# Allegro board mini_trx_layout.brd (continued)
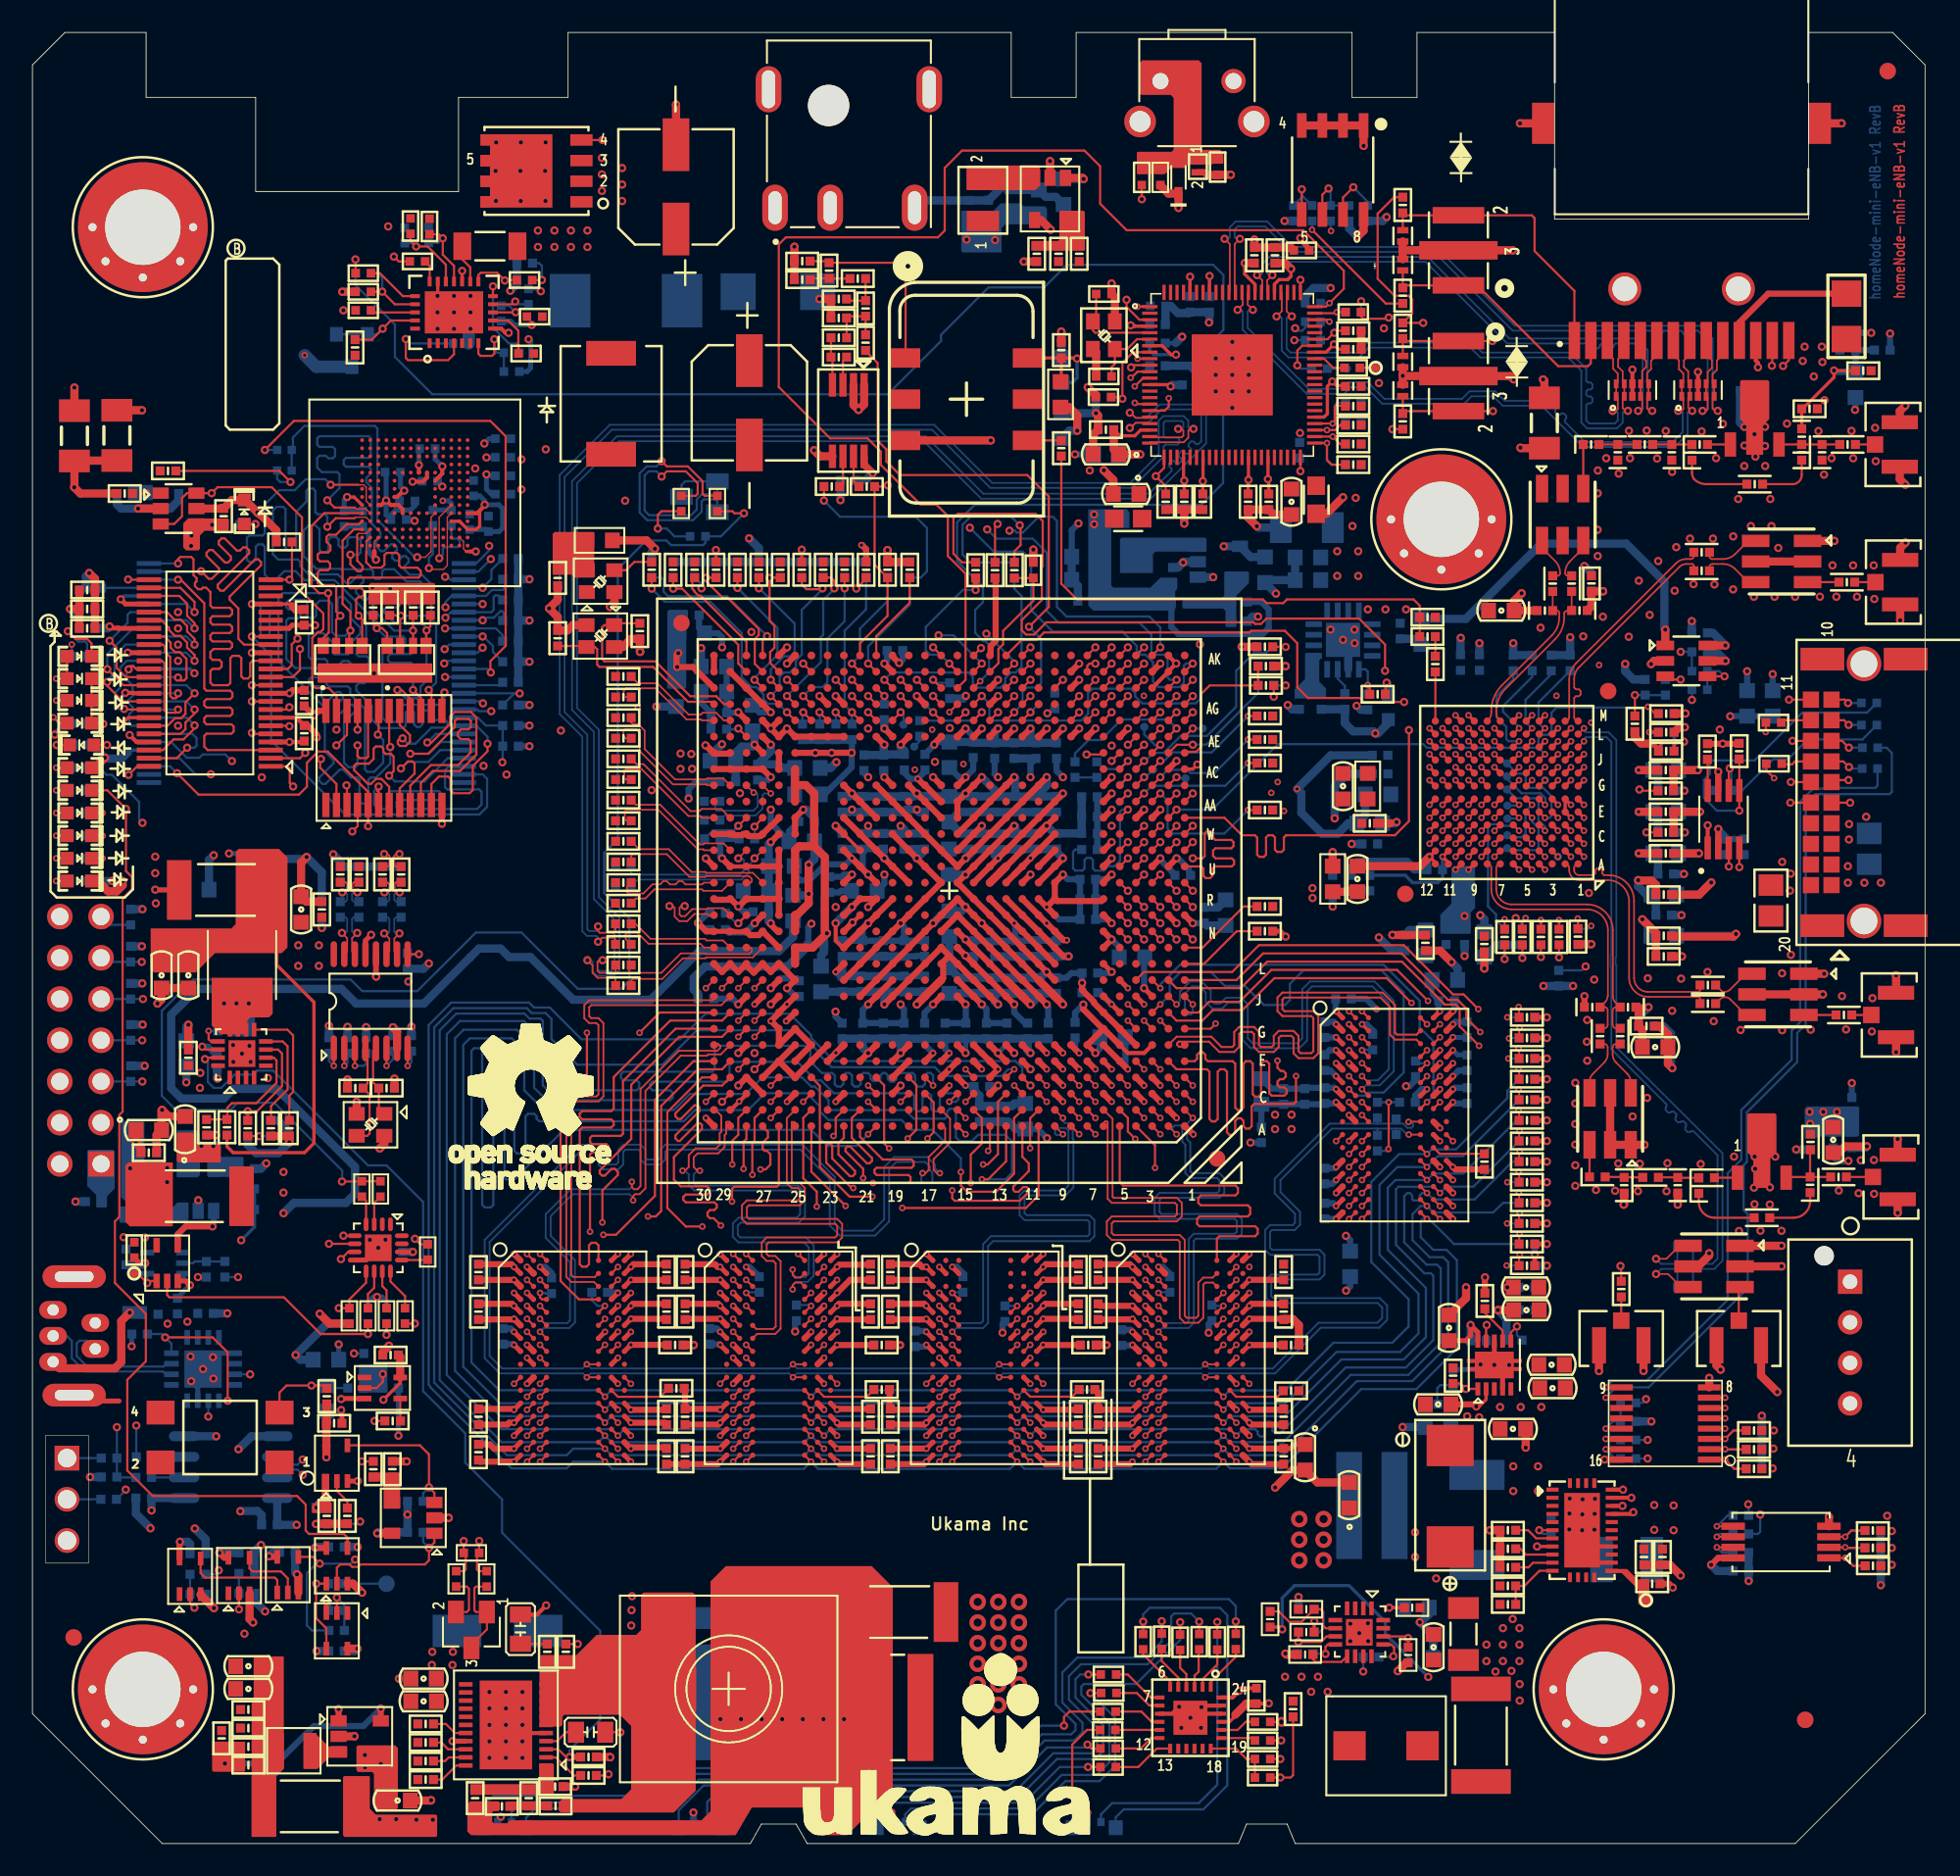
[diagram p0: board, top side]
## Copper pours and planes (outline as drawn; the poured copper is in the pictures) (continued)
CHASIS_GND on L6-SIGNAL: 80.56,76.18 80.33,76.41 80.33,88.5 86.02,94.19 86.02,105.41 88.61,108 92.66,108 92.66,99.03 110.44,99.03 110.44,108 112.59,108 113.66,106.94 113.66,89.16 107.24,89.16 105.84,90.55 97.23,90.55 94.83,88.15 94.83,77.73 93.28,76.18 ; 2 cut-outs
DC_IN_12V on BOTTOM: 46.08,92.18 46.06,92.17 46.04,92.17 38.25,92.17 38.24,92.17 38.22,92.18 37.98,92.42 37.96,92.44 37.96,92.46 37.96,97.33 37.96,97.35 37.98,97.37 38.38,97.77 38.39,97.78 38.41,97.78 42.74,97.78 42.76,97.79 42.77,97.8 43.37,98.39 43.38,98.41 43.38,98.43 43.38,101.87 43.39,101.89 43.4,101.91 43.8,102.31 43.81,102.32 43.83,102.32 46.33,102.32 46.35,102.32 46.37,102.31 46.49,102.18 46.5,102.17 46.51,102.15 46.51,92.63 46.5,92.61 46.49,92.59
EFUSE_IN_12V on TOP: 31.17,93.85 31.08,93.93 31.08,94.24 31.73,94.89 31.73,96.18 31.73,96.19 31.76,96.35 31.73,96.5 31.73,96.51 31.73,96.71 31.72,96.73 31.71,96.74 31.56,96.89 31.55,96.91 31.53,96.91 29.22,96.91 29.2,96.91 29.19,96.92 29,97.11 28.99,97.13 28.98,97.15 28.98,99.65 28.99,99.67 29,99.68 29.18,99.87 29.19,99.88 29.21,99.88 34.63,99.88 34.65,99.88 34.67,99.87 35.03,99.5 35.04,99.49 35.04,99.47 35.04,95.52 35.05,95.5 35.06,95.48 35.64,94.9 44.57,94.9 45.1,94.37 45.1,89.89 44.82,89.6 33.58,89.6 33.39,89.79 33.39,93.29 32.83,93.85
EFUSE_IN_12V on BOTTOM: 31.74,92.76 31.73,92.77 31.73,92.79 31.73,96.18 31.73,96.19 31.76,96.35 31.73,96.5 31.73,96.51 31.73,96.71 31.72,96.73 31.71,96.75 31.56,96.9 31.54,96.91 31.52,96.91 27.12,96.91 27.1,96.91 27.08,96.9 26.82,96.63 26.8,96.62 26.76,96.62 26.75,96.6 26.57,96.43 26.56,96.42 26.54,96.42 26.01,96.42 25.99,96.42 25.98,96.43 25.75,96.66 25.74,96.67 25.74,96.69 25.74,99.05 25.74,99.07 25.72,99.09 25.53,99.28 25.51,99.29 25.49,99.3 25.31,99.3 25.25,99.3 23.42,99.3 23.4,99.29 23.36,99.26 23.33,99.26 23.33,99.23 23.32,99.21 23.29,99.19 22.64,99.19 22.59,99.24 22.59,99.73 22.59,99.75 22.61,99.77 22.71,99.88 22.73,99.89 22.75,99.89 23.86,99.89 23.96,99.89 34.61,99.89 34.63,99.89 34.65,99.88 35.03,99.49 35.04,99.48 35.04,99.46 35.04,93.04 35.04,93.02 35.03,93.01 34.63,92.61 34.61,92.6 34.59,92.59 31.93,92.59 31.91,92.6 31.89,92.61
EMMC_3V3 on TOP (solid shape): 24.63,71.53 17.57,71.53 17.57,72.72 24.63,72.72
EMMC_3V3 on TOP (solid shape): 24.81,77.6 24.81,76.41 24.76,76.36 20.76,76.36 20.72,76.39 20.72,77.54 20.86,77.68 24.73,77.68
EMMC_3V3 on TOP (solid shape): 12.1,81.59 12.1,80.94 12.05,80.89 10.61,80.89 10.32,80.61 10.32,79.77 10.23,79.68 9.47,79.68 9.29,79.86 9.29,81.35 9.59,81.65 12.04,81.65
EMMC_3V3 on BOTTOM: 9.59,81.65 12.04,81.65 12.1,81.59 12.1,80.94 12.05,80.89 10.61,80.89 10.32,80.61 10.32,79.77 10.23,79.68 9.47,79.68 9.29,79.86 9.29,81.35
EMMC_3V3 on L5-PWR2: 8.81,87.79 28.85,87.79 29.58,87.05 29.58,73.28 27.78,71.48 8.68,71.48 7.51,72.65 7.51,86.49
ENODEB_IN_12V on TOP: 40.38,101.2 40.4,101.2 40.41,101.19 40.48,101.12 40.49,101.1 40.5,101.08 40.5,96.36 40.2,96.06 35.52,96.06 35.46,96.13 35.46,98.07 35.45,98.09 35.44,98.11 35.44,100.31 35.44,100.33 35.43,100.34 35.05,100.72 35.04,100.73 35.02,100.73 33.23,100.73 33.21,100.74 33.19,100.75 32.92,101.01 32.91,101.03 32.91,101.05 32.91,103.87 32.91,103.89 32.92,103.91 33.1,104.08 33.12,104.09 33.13,104.1 36.08,104.1 37.27,104.1 37.5,103.87 37.5,101.65 37.95,101.2
ENODEB_IN_12V on TOP: 96.92,19.97 98.9,19.97 99.11,20.18 99.11,21.26 99.58,21.73 101.47,21.73 101.62,21.57 101.62,17.86 101.52,17.76 97.78,17.76 97.68,17.66 96.92,17.66 96.87,17.71 96.87,19.92
ENODEB_IN_12V on TOP, BOTTOM: 110.4,60.86 110.4,58.52 110.68,58.24 114.36,58.24 114.36,60.94 114.21,61.08 110.61,61.08
ENODEB_IN_12V on BOTTOM: 99.09,16.1 99.09,21.13 101.62,21.13 101.62,18.87 100.48,18.87 100.48,16.1
ENODEB_IN_12V on L5-PWR2: 99.51,18.27 111.58,18.27 113.79,20.48 113.79,98.01 92.15,98.01 92.15,104.11 43.74,104.11 43.46,104.39 43.46,109.83 43.3,109.99 35.01,109.99 34.25,109.23 34.25,106.65 28.39,100.79 17.67,100.79 15.93,99.05 15.93,90.59 16.54,89.98 41.63,89.98 44.35,92.71 44.35,97.14 44.61,97.39 44.61,97.39 64.15,97.39 65.37,98.61 85.55,98.61 85.55,88.08 109.04,88.08 109.04,22.43 108.3,21.69 99.56,21.69 99.13,21.26 99.13,18.65
RF_1V8 on TOP: 80.05,62.79 79.89,62.96 79.89,63.56 80.01,63.68 81.36,63.68 81.48,63.8 81.48,64.62 81.73,64.87 82.69,64.87 83.42,65.59 83.42,68.69 83.42,68.7 83.42,69.55 83.82,69.95 84.67,69.95 84.9,70.17 84.9,72.74 81.99,75.64 81.99,76.16 82.12,76.28 85.66,76.28 85.88,76.06 85.88,69.92 84.48,68.52 84.48,63.79 84.09,63.4 83.4,63.4 83.4,63.27 81.09,63.27 80.62,62.79
RF_1V8 on BOTTOM: 82.04,72.88 83.63,72.88 83.72,72.97 83.72,74.74 83.76,74.77 86.09,74.77 86.18,74.86 86.18,76.58 85.82,76.94 81.32,76.94 80.87,76.48 80.87,75.47 80.97,75.37 81.93,75.37 82.04,75.26 82.04,73.23
RF_3V3 on BOTTOM: 80.57,59.43 79.09,59.43 78.9,59.63 78.9,61.03 79.3,61.43 80.3,61.43 80.57,61.16
RF_3V3 on L4-PWR1: 62.65,87.71 65.79,87.71 66.11,87.39 66.11,84.46 67.79,82.78 78.84,82.78 79.34,82.28 79.34,77.87 82.15,75.06 103.09,75.06 109.92,81.89 109.92,89.34 110.58,90 111.07,90 111.48,90.41 111.48,92.47 111.47,92.48 111.47,93.12 111.69,93.35 113.35,93.35 113.68,93.01 113.68,80.42 106.32,73.05 106.32,64.85 111.5,59.66 111.5,48.34 112.52,47.33 112.52,41.91 112.08,41.48 108.76,41.48 108.4,41.84 108.4,59.13 103.96,63.58 103.96,69.62 102.38,71.2 84.5,71.2 83.4,70.1 83.4,60.4 82.92,59.92 79.39,59.92 79.32,60 79.32,72.44 76.27,75.49 76.27,80.01 75.46,80.83 62.86,80.83 62.5,81.19 62.5,87.57
USB_5V on BOTTOM: 7.48,33.07 10.41,33.07 10.53,32.95 10.53,32.02 10.38,31.87 10.38,30.74 10.36,30.71 10,30.71 9.98,30.74 9.98,31.9 7.62,31.9 7.44,32.08 7.44,33.03
USB_5V on L4-PWR1: 7.74,32.87 9.91,32.87 10.21,32.57 10.21,22.5 11.86,20.86 16.38,20.86 16.58,20.65 16.58,19.05 16.43,18.9 10.15,18.9 7.61,21.44 7.61,32.74
N16949910 on TOP (solid shape): 34.61,80.78 34.61,78.06 34.56,78.01 33.39,78.01 33.21,78.19 32.1,78.19 32.05,78.24 32.05,80.7 32.18,80.83 34.56,80.83
N27144604 on TOP: 81.35,11.98 81.35,9.53 80.18,8.37 80.18,2.62 80.45,2.36 83.14,2.36 83.45,2.67 83.45,10.2 82.7,10.95 82.7,11.95 82.64,12.02 81.38,12.02
N27144623 on TOP: 85.52,10.5 84.5,9.48 84.5,3.29 84.95,2.84 90.97,2.84 91.32,3.18 91.32,6.38 90.61,7.08 90.29,7.41 87.21,7.41 86.96,7.66 86.96,10.41 87.2,10.66 87.2,10.67 89.06,10.67 89.17,10.78 89.17,11.98 89.16,11.99 85.56,11.99 85.52,11.95
N27144923 on TOP (solid shape): 14.8,53.32 14.8,51.14 14.57,50.91 13.42,50.91 13.23,50.72 13.23,49.87 11.58,49.87 11.04,50.41 11.04,53.32 11.07,53.34 14.78,53.34
N27144923 on BOTTOM (solid shape): 13.71,52.05 13.71,49.84 13.61,49.74 12.11,49.74 12.06,49.79 12.06,50.88 11.47,51.46 11.47,52 11.6,52.12 13.63,52.12
N27144939 on TOP (solid shape): 15.72,60.76 15.72,55.22 15.36,54.87 11.25,54.87 10.05,53.67 7.49,53.67 7.28,53.88 7.28,56.39 12.25,56.39 12.52,56.66 12.52,57.2 12.52,57.2 12.52,61.11 12.7,61.29 15.18,61.29
N27171184 on TOP (solid shape): 40.86,15.29 40.86,11.51 40.86,3.25 39.52,1.91 32.55,1.91 32.43,2.03 32.43,2.54 32.63,2.75 36.28,2.75 36.88,3.34 36.88,7.25 36.19,7.94 32.77,7.94 32.65,7.82 32.65,7.33 32.53,7.21 31.26,7.21 31.24,7.23 31.24,11.51 31.34,11.61 33.51,11.61 34.75,12.86 37.2,12.86 37.49,13.16 37.49,15.31 37.66,15.48 40.67,15.48
N27171634 on TOP (solid shape): 53,15.8 53,3.32 50.19,0.51 48.66,0.51 47.64,2.22 44.32,2.22 43.32,0.51 27.02,0.51 26.79,0.74 26.79,2.44 26.95,2.6 28.72,2.6 28.8,2.52 28.8,2.09 28.72,2.01 28.41,2.01 28.32,1.92 28.32,1.36 28.43,1.25 29.24,1.25 29.43,1.44 41.22,1.44 41.78,1.99 41.78,16.16 42.72,17.1 51.71,17.1
N27171634 on BOTTOM (solid shape): 53,12 53,5.62 52.51,5.13 38.27,5.13 37.18,6.23 37.18,11.71 37.74,12.27 52.72,12.27
N27171650 on TOP (solid shape): 32.12,4.87 32.12,3.08 32.05,3 26.99,3 26.97,3.03 26.97,3.64 26.99,3.66 31.13,3.66 31.21,3.74 31.21,4.87 31.24,4.89 32.11,4.89
N27171802 on TOP (solid shape): 32,2.56 32,2.06 31.78,2.06 31.78,2.06 29.2,2.06 29.2,2.53 29.26,2.59 31.97,2.59
N28499038 on BOTTOM (solid shape): 21.86,27.79 20.11,27.79 20.11,29.54 21.86,29.54
N37651465 on TOP (solid shape): 18.28,22.76 18.28,21.14 18.43,20.98 18.43,20.4 18.41,20.37 17.27,20.37 17.22,20.42 17.22,20.84 17.82,21.44 17.82,22.76 17.85,22.79 18.26,22.79
N37686485 on BOTTOM (solid shape): 79.36,73.28 79.36,72.99 79.28,72.91 79.28,71.6 79.7,71.17 79.7,70.59 79.67,70.56 77.79,70.56 77.77,70.59 77.77,71.12 78.4,71.76 78.4,73.31 78.45,73.36 79.28,73.36
N38737759 on BOTTOM (solid shape): 7.41,82.78 5.89,82.78 5.89,83.72 7.41,83.72
N38737759 on TOP: 5.86,82.86 5.86,83.6 5.9,83.65 7.23,83.65 7.33,83.75 7.33,84.89 7.36,84.92 8.12,84.92 8.15,84.89 8.15,83.85 8.4,83.59 8.4,82.86 8.38,82.83 5.89,82.83
N41087635 on BOTTOM (solid shape): 112.54,45.34 112.54,43.64 112.46,43.56 109.98,43.56 109.85,43.44 109.21,43.44 109.19,43.46 109.19,45.29 109.32,45.42 112.46,45.42
N41087635 on TOP: 109.24,43.49 109.24,45.27 109.34,45.37 111.35,45.37 111.45,45.27 111.45,43.69 111.42,43.67 110.1,43.67 109.87,43.44 109.29,43.44
N42451043 on BOTTOM (solid shape): 7.06,32.33 5.54,32.33 5.54,33.12 7.06,33.12
N42452839 on TOP (solid shape): 15.49,11.48 15.49,4.6 15,4.12 15,0.44 14.98,0.41 13.53,0.41 13.51,0.44 13.51,8.64 13.63,8.77 13.63,11.48 13.68,11.53 15.44,11.53
N42452847 on TOP (solid shape): 13.1,6.25 13.1,4.47 13.05,4.42 11.14,4.42 11.07,4.5 11.07,6.25 11.09,6.28 13.07,6.28
N42452875 on TOP (solid shape): 18.23,5.99 19.37,5.99 19.4,5.97 19.4,5.31 19.37,5.29 18.26,5.29 17.57,4.6 16.73,4.6 16.71,4.63 16.71,6.79 16.73,6.81 17.41,6.81
N42452897 on TOP (solid shape): 8.65,38.03 5.99,38.03 5.72,38.3 5.72,41.78 5.91,41.97 8.65,41.97
N42452897 on BOTTOM (solid shape): 6.9,42.17 6.9,42.17 6.9,41.97 7.02,41.85 8.39,41.85 8.59,41.65 8.59,39.91 8.32,39.64 5.65,39.64 5.45,39.84 5.45,44.43 5.56,44.53 6.9,44.53
N42452897 on L6-SIGNAL: 6.44,43.7 12.73,43.7 13.14,43.29 13.14,37.02 12.87,36.74 5.56,36.74 5.43,36.87 5.43,42.11 6.06,42.74 6.06,43.33
N42452899 on BOTTOM (solid shape): 13,42.27 13,38.74 12.95,38.69 12.31,38.69 12.26,38.74 12.26,40.92 12.11,41.08 10.84,41.08 10.76,41.15 10.76,42.24 10.84,42.32 12.95,42.32
N42452941 on BOTTOM (solid shape): 9.59,39.47 9.59,38.32 9.52,38.26 5.4,38.26 5.35,38.31 5.35,39.21 5.39,39.25 8.68,39.25 8.93,39.5 9.56,39.5
N42624203 on TOP: 94.05,19.64 93.19,19.64 92.69,20.14 89.95,20.14 89.25,20.83 89.25,23.9 89.58,24.23 93.62,24.23 94.08,23.78 94.08,19.66
N42624203 on BOTTOM: 94.05,19.64 93.19,19.64 92.69,20.14 87.48,20.14 87.17,20.45 87.17,23.88 87.52,24.23 93.62,24.23 94.08,23.78 94.08,19.66
N42624207 on TOP: 90.67,15.52 86.36,15.52 84.51,17.37 84.51,19.6 84.68,19.76 88.84,19.76 89.15,19.46 89.15,16.56 89.48,16.23 90.67,16.23 90.72,16.18 90.72,15.57
N42624207 on BOTTOM: 93.92,18.67 86.99,18.67 86.48,19.18 86.48,24.11 86.23,24.36 83.18,24.36 83,24.18 83,16.36 83.53,15.83 93.92,15.83 94.18,16.08 94.18,18.42
N43067466 on TOP (solid shape): 22.65,22.81 22.65,20.68 22.6,20.63 21.66,20.63 21.63,20.65 21.63,22.18 21.51,22.3 20.72,22.3 20.69,22.33 20.69,22.84 20.72,22.86 22.6,22.86
N43211621 on TOP (solid shape): 64.84,100.54 64.84,98.2 64.79,98.15 61.56,98.15 61.54,98.17 61.54,98.73 61.56,98.76 63.19,98.76 63.26,98.83 63.26,100.56 63.32,100.61 64.76,100.61
N43211663 on TOP (solid shape): 62.07,103.31 62.07,102.16 61.79,101.88 57.58,101.88 57.55,101.91 57.55,103.33 57.63,103.41 61.97,103.41
N43385255 on BOTTOM (solid shape): 74.95,78.34 74.95,77.68 74.16,76.89 74.16,75.01 74.11,74.96 73.55,74.96 73.5,75.01 73.5,75.95 73.35,76.1 70.91,76.1 70.86,76.15 70.86,76.71 70.88,76.74 73.27,76.74 73.42,76.89 73.42,78.34 73.48,78.39 74.9,78.39
N43385297 on BOTTOM (solid shape): 72.33,80.39 72.33,79.66 72.28,79.61 69.18,79.61 69.03,79.45 69.03,78.31 69.01,78.29 67.02,78.29 67,78.31 67,80.37 67.1,80.47 72.26,80.47
N43486718 on TOP: 28.62,99.84 28.6,99.83 28.6,99.81 28.6,99.65 28.6,99.63 28.58,99.61 28.58,97.74 28.58,97.72 28.56,97.7 28.4,97.54 28.39,97.53 28.37,97.53 25.98,97.53 25.96,97.53 25.95,97.54 25.82,97.67 25.81,97.69 25.8,97.71 25.8,99.9 25.81,99.92 25.82,99.93 25.94,100.06 27.3,100.06 27.37,100.13 27.37,105.49 27.39,105.5 27.41,105.51 32.12,105.51 32.14,105.5 32.16,105.49 32.33,105.33 32.34,105.31 32.34,105.29 32.34,100.4 32.34,100.38 32.33,100.36 32.24,100.28 32.22,100.27 32.2,100.26 29.06,100.26 29.04,100.26 29.02,100.25
N43486718 on L6-SIGNAL: 27.99,105.35 27.99,100.83 31.95,100.83 31.95,105.35
N43812316 on TOP (solid shape): 72.03,109.71 72.03,104.42 72.08,104.37 73.17,104.37 73.37,104.17 73.37,103.56 73.32,103.51 72.71,103.51 72.66,103.46 71.19,103.46 70.99,103.25 70.15,103.25 69.77,102.87 68.07,102.87 68.04,102.9 68.04,104.19 68.09,104.24 70.17,104.24 70.3,104.37 70.3,107.57 70.12,107.75 68.32,107.75 68.19,107.88 68.19,109.71 68.37,109.88 71.85,109.88

Small or netless copper shapes (teardrops, artwork), in the pictures only: 1 on BOTTOM

## Text on the board
BOTTOM: homeNode-mini-eNB-v1 RevB | BOTTOM_LAYER
Ref Des/Assembly Bottom: ASSEMBLY_BOTTOM
Package Geometry/Pastemask Bottom: PASTEMASK_BOTTOM
Ref Des/Silkscreen Bottom: SILKSCREEN_BOTTOM
User.Comments: K | N | A | 6 | 5 | 10 | 24 | 1 | 12 | 13 | E | C | B | 4 | 9 | 8 | 16 | 2 | 11 | 7 | 3 | CR_456_2 | CR_456_1 | CR_123_1 | CR_123_2 | CR_1234_1 | CR_1234_2 | CR_SUT_1 | 14 | 20 | 50 | 21 | 51 | 100 | 40 | 60 | 31 | 30 | UNLESS OTHERWISE SPECIFIED | ALL DIMENSIONS ARE IN | INCHES | DATE | MILS | SIZE | SCALE | DRAWING TITLE | PART NUMBER | 1/1 | SHEET | 1  OF | Life | SILKSCREEN_BOTTOM | SOLDERMASK_TOP | SOLDERMASK_BOTTOM | CAD | DATA | DO NOT MANUALLY | D | X
TOP: homeNode-mini-eNB-v1 RevB | TOP_LAYER
Ref Des/Assembly Top: ASSEMBLY_TOP
Package Geometry/Pastemask Top: PASTEMASK_TOP
Ref Des/Silkscreen Top: B | Ukama Inc | SILKSCREEN_TOP
L2-GND1: GND_LAYER_01
L3-SIGNAL: L3 SIGNAL 1
L4-PWR1: LAYER 4 POWER 1
L5-PWR2: LAYER 5 POWER 2
L6-SIGNAL: LAYER 6 SIGNAL 2
L7-GND2: LAYER 7 GROUND 2
XSECTION_CHART: *  SURFACE - AIR 0 MIL | L1: TOP CONDUCTOR - COPPER 1.6 MIL | *  DIELECTRIC - FR-4 2.9 MIL | L2: L2-GND1 PLANE - COPPER 1.2 MIL | *  DIELECTRIC - FR-4 4 MIL | L3: L3-SIG1 CONDUCTOR - COPPER 0.6 MIL | *  DIELECTRIC - FR-4 6.6 MIL | L4: L4-PWR1 PLANE - COPPER 1.2 MIL | *  DIELECTRIC - FR-4 3.5 MIL | L5: L5-SIG2 CONDUCTOR - COPPER 1.2 MIL | *  DIELECTRIC - FR-4 18.8 MIL | L6: L6-SIG3 CONDUCTOR - COPPER 1.2 MIL | L7: L7-PWR2 PLANE - COPPER 1.2 MIL | L8: L8-SIG4 CONDUCTOR - COPPER 0.6 MIL | L9: L9-GND2 PLANE - COPPER 1.2 MIL | L10: BOTTOM CONDUCTOR - COPPER 1.6 MIL | DESIGN CROSS SECTION CHART | ___________________________ | TOTAL THICKNESS 64.4 MIL | 1-10
PAGE_OUTLINE: UPDATE
User.7: SENSITIVE ELECTRONIC DEVICES-CLASS 1 | CAUTION | IPC-SM-840C AND SHALL BE MATT BLACK IN COLOR AND APPLIED OVER BARE COPPER. | DIELECTRIC: FR4 AS PER IPC-4101/21. | THERE SHALL BE NO SILKSCREEN ON ANY SOLDERABLE AREA. | 10. FOR ALL NON SPECIFIED TOLERANCE FOR FINISH HOLES SIZE IS +/- 3 MILS | 11. GERBER SHOULD BE VERIFIED FOR 100% CONTINUITY AND SHORTS | 16. ALL VIAS SHOULD BE FILLED WITH FLAT SURFACE FINISH | 13. VENDOR TO IDENTIFY TEST PASSED IN SECONDARY  SIDE. | 12. BOW AND TWIST SHALL NOT EXCEED 0.7% OF LONGEST SIDE. | 15. PCB MANUFACTURER TO MODIFY AND ADD BATCH CODE AT TIME OF FABRICATION. | 14. ALL DIMENSIONS ARE IN:MILS UNLESS OTHERWISE SPECIFIED | NOTES: UNLESS OTHERWISE SPECIFIED. | 3. UNLESS OTHERWISE MENTIONED FABRICATE AS PER IPC-6012D CLASS 2. | 4. MATERIAL: | 9. MINIMUM CONDUCTOR WIDTH:3.28 MILS. | 5. SURFACE FINISH:IMMERSION GOLD | 6. SOLDER MASK MATERIAL SHALL MEET ALL THE REQUIREMENTS OF | 7. SILK SCREEN LEGEND TO BE APPLIED AS PER LAYER STACKUP | 8. DONT KEEP PCB MANUFACTURER LOGO IN PCB. | 1. THIS FILE IS TO BE USED IN CONJUNCTION WITH THE GERBER FILE | 2. ALL ARTWORK PATTERNS ARE VIEWED FROM TOP. | COPPER: AS PER STACKUP. | DO NOT CHANGE THE FONT SIZE. | AND DRILL DATA WHERE APPLICABLE. | MINIMUM DRILL/PAD SIZE:08/16 MILS | MINIMUM SPACING:3.4 MILS. | USING YELLOW NON-CONDUCTIVE EPOXY INK. | THE BBT REPORT SHOULD BE DELIVERED ALONG WITH PCBS. | TESTING STRICTLY USING IPC-D-356A | FABRICATION DRAWING
User.8: (0.08+/-10% INCHES) | UNITS -INCHES | SECONDARY SIDE, SILK SCREEN | SECONDARY SIDE, SOLDER MASK | INNER1 LAYER, LAYER 6 - 0.0013 INCHES | PRIMARY SIDE, SOLDER MASK | DIELECTRIC | GROUND LAYER, LAYER 7 - 0.0013 INCHES | PRIMARY SIDE, SILK SCREEN | PRIMARY SIDE, LAYER 1 - 0.0022 INCHES | SECONDARY SIDE, LAYER 8 - 0.0022 INCHES | INNER1 LAYER, LAYER 3 - 0.0013 INCHES | POWER LAYER, LAYER 5 - 0.0013 INCHES | GROUND LAYER, LAYER 2 - 0.0013 INCHES | POWER LAYER, LAYER 4 - 0.0013 INCHES | 0.0037 INCHES | 0.0040 INCHES | 0.014 INCHES | 0.0193 INCHES | 0.0007 INCHES
User.10: 4 | 3 | 5 | 8 | 9 | 17 | 12 | 13 | 16 | 2 | 1 | G | D | S | + | A43 | A56 | A1 | A42 | A14 | A29 | A28 | A15
User.12: 111.6 | 116.6
User.15: 111.6 | 116.6 | 2
User.17: FABRICATION DRAWING
User.18: LAYER(S) | 1 | 3 | 6 | 8 | SINGLE ENDED (50 OHM)IMPEDANCE CHART | DIFFERENTIAL SIGNAL (90 OHM)IMPEDANCE CHART | TRACE WIDTH | 5.2 | 4.60 | 5.40 | 5.00 | SEPERATION | 6.80 | 7.40 | REF LAYER | L7 | L2 | +/- 10% | TOL | DIFFERENTIAL SIGNAL (100 OHM)IMPEDANCE CHART | 4.20 | 3.75 | 7.80 | 8.25
User.21: 04JULY20 | homeNode - Mini - eNB- v1 Rev-B | PART NUMBER:Q1496701 | ukama
User.27: FIGURE | SIZE | 8.0 | 10.0 | 12.0 | 19.689 | 20.0 | 27.559 | 35.402 | 38.976 | 42.0 | 45.0 | 51.181 | 64.961 | 183.0 | 60.0 | 47.24 | 100.0 | 80.0x32.0 | 92.0x32.0 | 94.48x25.591 | DRILL CHART: TOP to BOTTOM | ALL UNITS ARE IN MILS | TOLERANCE | +3.0/-3.0 | +0.0/-0.0 | PLATED | OPTIONAL | NON-PLATED | QTY | 827 | 1357 | 1 | 20 | 24 | 5 | 4 | 2 | 14 | 3
